# Altium PCB ESP32-HWE-Uno.PcbDoc
Units mil, origin at the board's own origin, x right, y up, seen from the top; angles counter-clockwise.
Board outline 2700 x 2100 mil, 2 copper layers (Top Layer, Bottom Layer); 8 components, 38 nets, 83 pads, 7 vias.
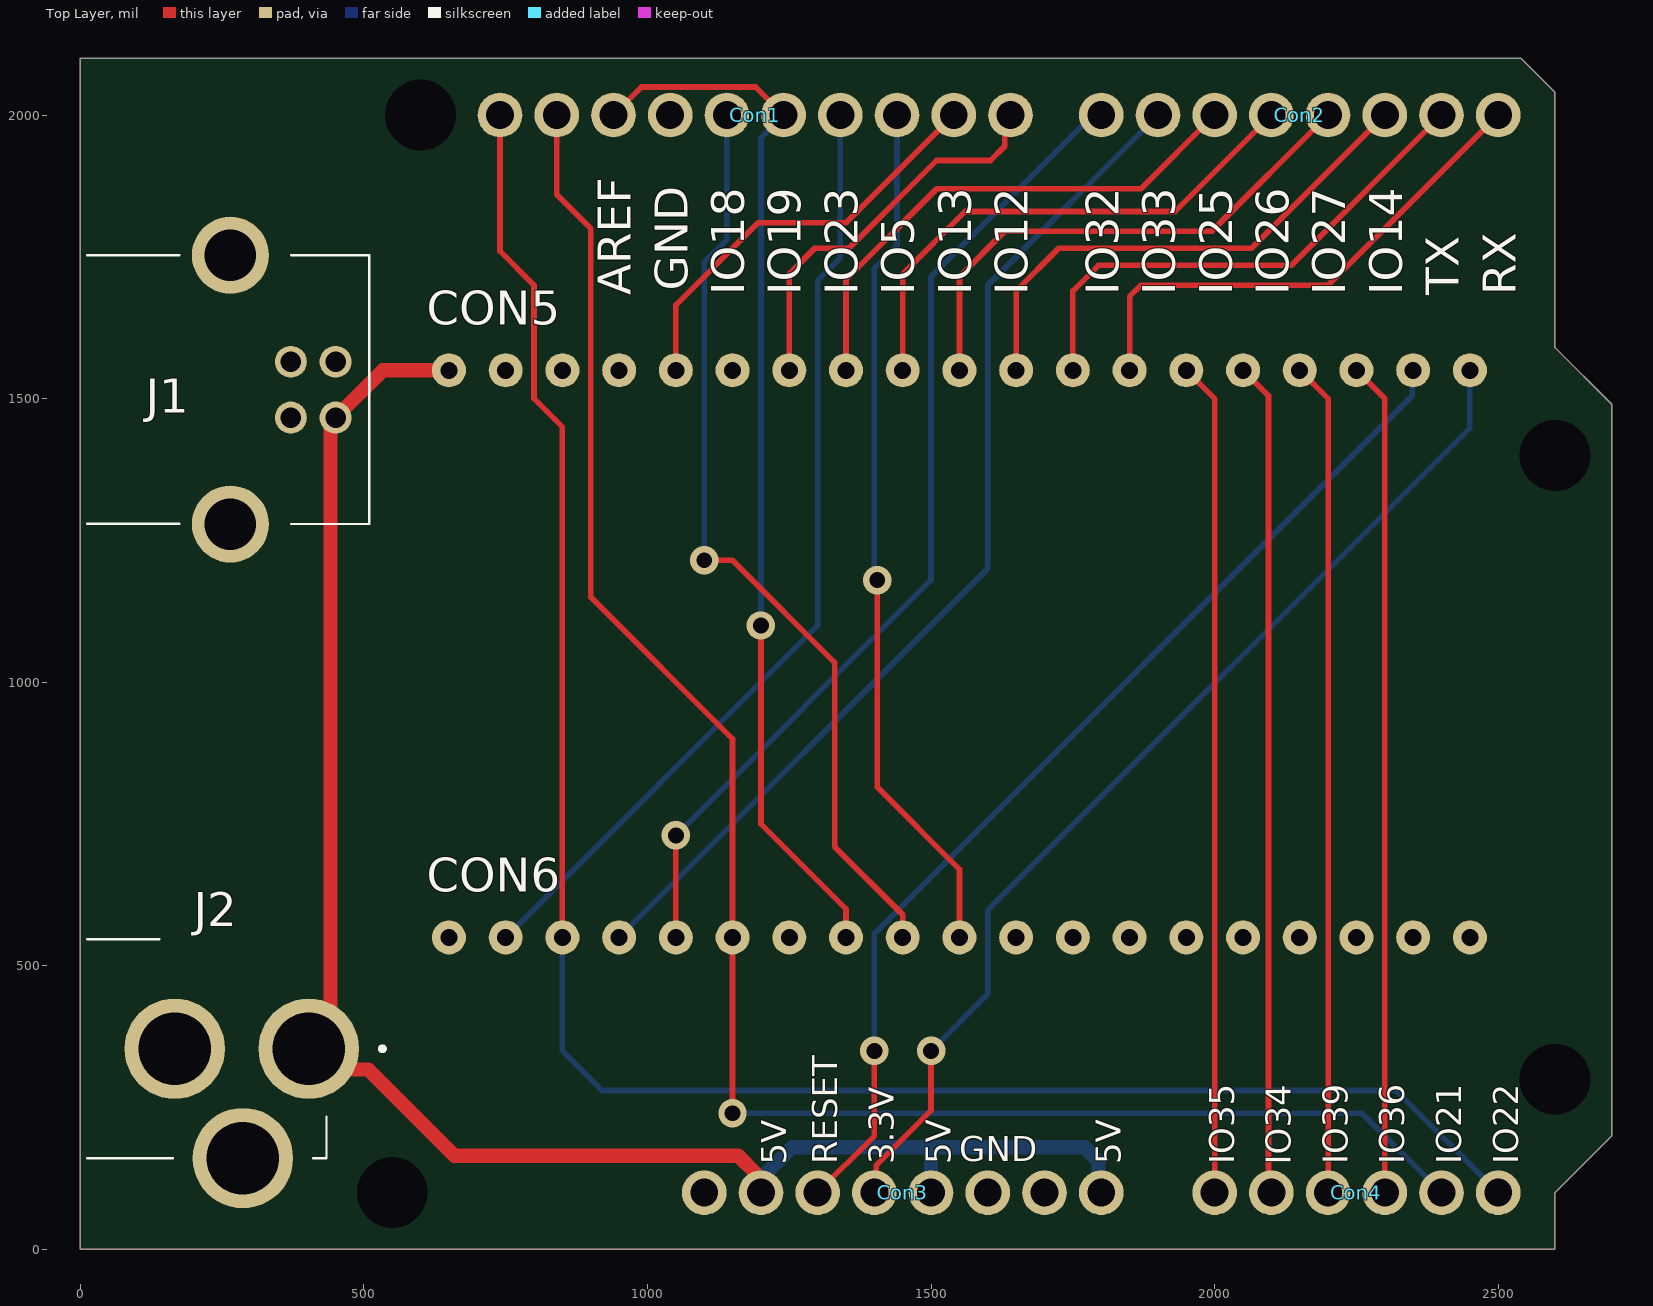
[diagram p0: Top Layer view]
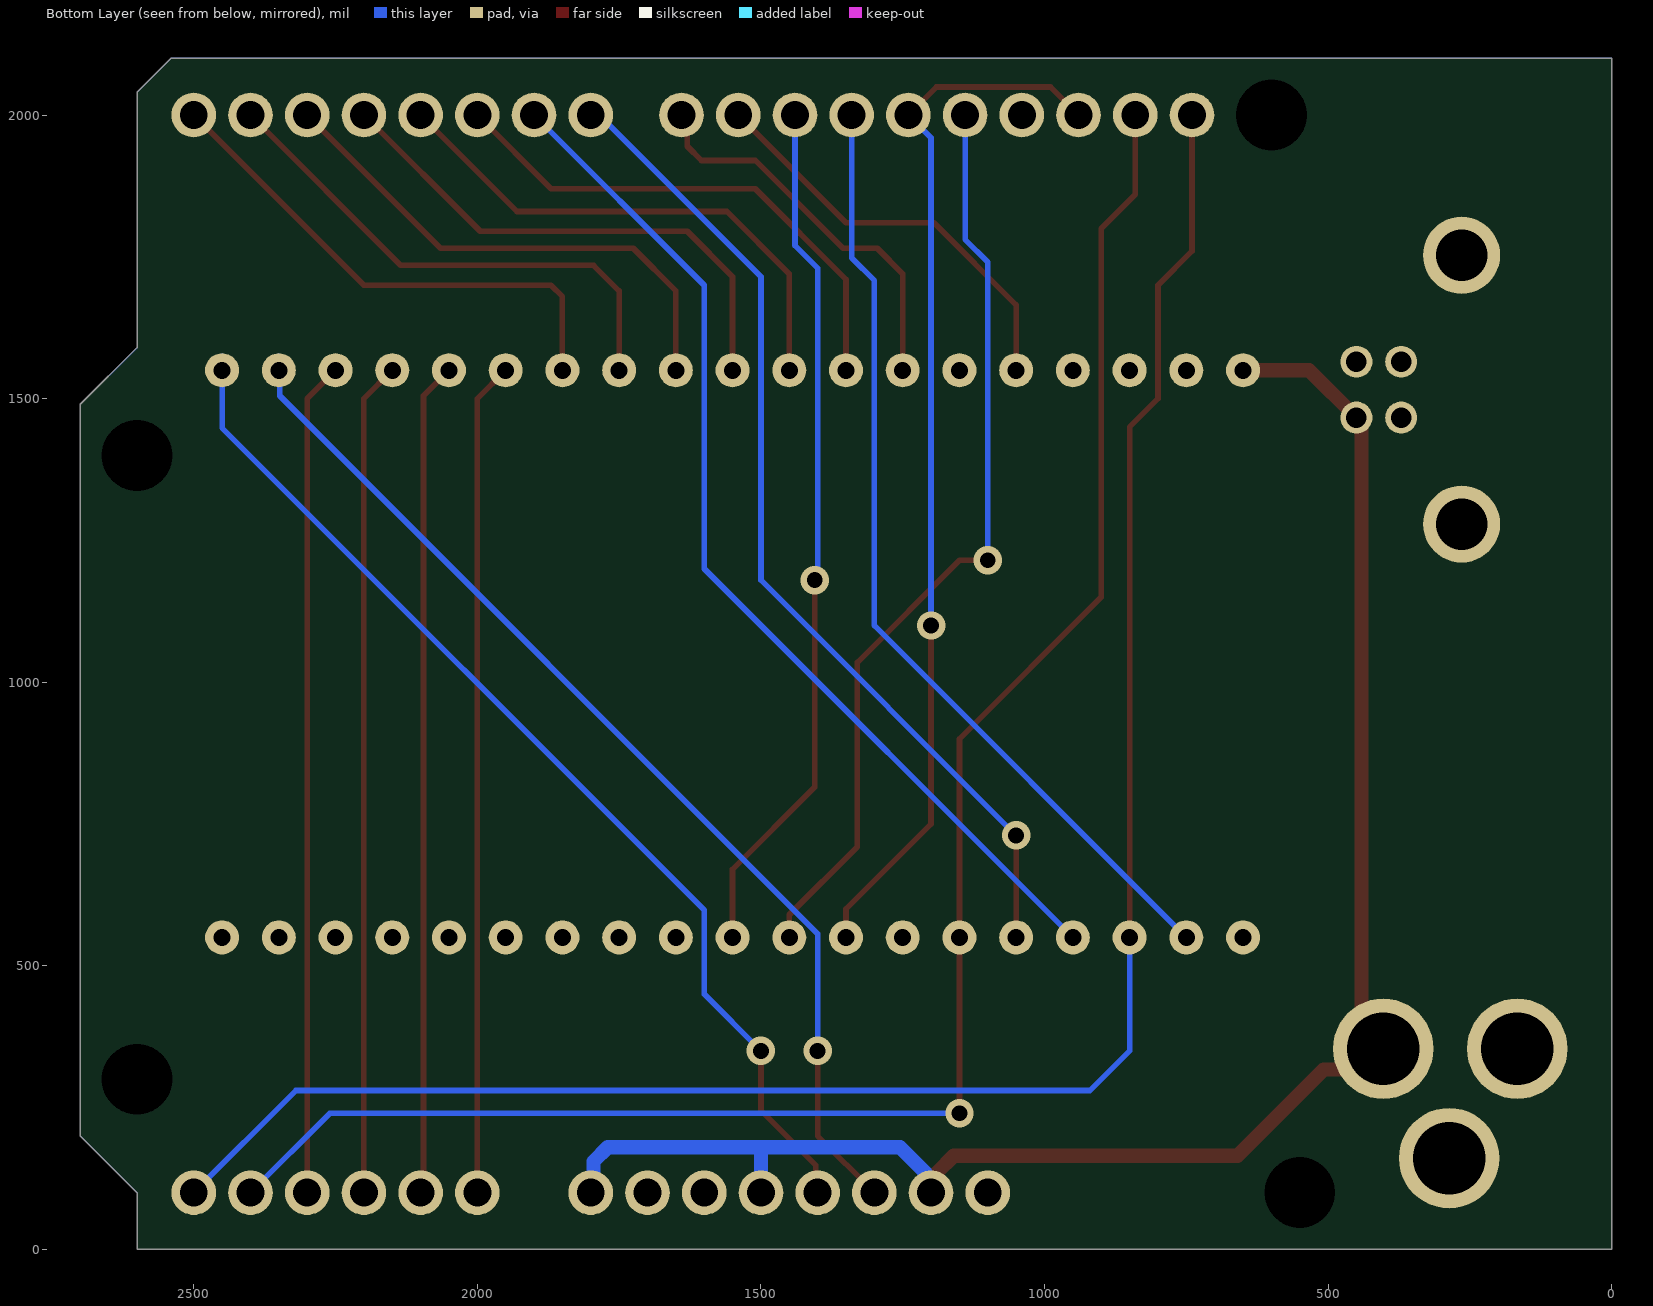
[diagram p1: Bottom Layer view, seen from below]

## Layer stack, top to bottom
Top Solder: solder mask 0.4, Solder Resist, Dk 3.5
Top Layer: signal copper 1.4
Dielectric 1: dielectric 12.6, FR-4, Dk 4.8
Bottom Layer: signal copper 1.4
Bottom Solder: solder mask 0.4, Solder Resist, Dk 3.5

## Board outline
0,0 0,2100 2540,2100 2600,2040 2600,1590 2700,1490 2700,200 2600,100 2600,0

## Design rules (kind name [scope] priority, off if disabled: settings)
Clearance [All] p1: gap=5 ignorepadtopadclearanceinfootprint=FALSE except(0: Arc-Hole Track-Hole SMDPad-Hole THPad-Hole Via-Hole Fill-Hole Poly-Hole Region-Hole Text-Hole)
HoleSize [All] p1: absolutevalues=TRUE maxlimit=196.85 minlimit=1 maxpercent=80.000 minpercent=20.000
PolygonConnect [All] p1: connectstyle=Relief reliefconductorwidth=10 reliefentries=4 polygonreliefangle="90 Angle" airgapwidth=10
RoutingVias [All] p1: holewidth=28 width=50 viastyle="Through Hole" minholewidth=28 minwidth=50 maxholewidth=28 maxwidth=50
SolderMaskExpansion [All] p1: expansion=4 istentingtop=FALSE
Width [All] p1: maxlimit=196.85 minlimit=10 preferedwidth=10
29 further rules are at their usual default settings.

## Components (designator, comment, footprint, x,y, rotation, side; value= is the part's Value field where it differs from the comment)
Con1 "Female 10 Pin" HEADER_FEMALE_10PIN 740,2000 r0 top
Con2 "Header_Female_8Pin" HEADER_FEMALE_8PIN 2500,2000 r180 top
Con3 "Header_Female_8Pin" HEADER_FEMALE_8PIN 1800,100 r180 top
Con4 "Header_Female_6Pin" HEADER_FEMALE_6PIN 2500,100 r180 top
CON5 "Header_Male_19Pin" Male_Header19Pin 2450,1550 r180 top locked
CON6 "Header_Male_19Pin" Male_Header19Pin 650,550 r0 top
J1 "SS-52300-001" SS52300001 450,1565 r270 top
J2 "163-179PH-EX" 163179PHEX 200,300 r0 top locked

## Footprints (in the part's own frame and the unit in brackets; to place one, negate y for a bottom-side part, rotate by r counter-clockwise, add the part's x,y. Pads: shape width x height; smd on the part's side, far side on the other; paste and mask are expansions set on the pad)
163179PHEX [mm]
  round 4.5 hole 3.25: A(5.15,1.365) B(2.2,-3.535) C(-0.85,1.365)
  silkscreen extent -4.77,-3.53 8.55,6.26, body extent -8.5,-3.7 6,5.8, height 10.85
HEADER_FEMALE_6PIN [mm]
  round 2 hole 1.25: 1(0,0) 2(2.54,0) 3(5.08,0) 4(7.62,0) 5(10.16,0) 6(12.7,0)
  body extent -1.52,-1.25 14.22,1.25, height 8.65
HEADER_FEMALE_8PIN [mm]
  round 2 hole 1.25: 1(0,0) 2(2.54,0) 3(5.08,0) 4(7.62,0) 5(10.16,0) 6(12.7,0) 7(15.24,0) 8(17.78,0)
  body extent -1.52,-1.2 19.31,1.21, height 8.51
HEADER_FEMALE_10PIN [mm]
  round 2 hole 1.25: 1(0,0) 2(2.54,0) 3(5.08,0) 4(7.62,0) 5(10.16,0) 6(12.7,0) 7(15.24,0) 8(17.78,0) 9(20.32,0) 10(22.86,0)
  body extent -1.52,-1.25 24.38,1.25, height 8.5
Male_Header19Pin [mil]
  round 60 hole 30: 1(0,0) 2(100,0) 3(200,0) 4(300,0) 5(400,0) 6(500,0) 7(600,0) 8(700,0) 9(800,0) 10(900,0) 11(1000,0) 12(1100,0) 13(1200,0) 14(1300,0) 15(1400,0) 16(1500,0) 17(1600,0) 18(1700,0) 19(1800,0)
  body extent -50,-50 1850,50, height 374
SS52300001 [mm]
  round 1.431 hole 0.92: 1(0,0) 2(0,-2) 3(2.5,0) 4(2.5,-2)
  round 3.45 hole 2.3: MH1(-4.77,-4.71) MH2(7.27,-4.71)
  silkscreen extent -4.77,-11.12 7.27,1.51, body extent -6.22,-14.99 8.72,1.51, height 10.62

## Part data
Con1: library part Header_Female_10Pin
J1: "Connector", Manufacturer_Name=Bel, Mouser Part Number=530-SS-52300-001, Datasheet Link=https://belfuse.com/resources/datasheets/stewartconnector/ds-stw-usb-2.0-type-b-connectors.pdf, Height=10.82mm, Manufacturer_Part_Number=SS-52300-001
J2: "Connector", Manufacturer_Name=Kobiconn, Datasheet Link=https://componentsearchengine.com/Datasheets/1/163-179PH-EX.pdf, Height=11mm, Manufacturer_Part_Number=163-179PH-EX, Mouser Part Number=163-179PH-EX, Mouser Price/Stock=https://www.mouser.co.uk/ProductDetail/Kobiconn/163-179PH-EX?qs=Xb8IjHhkxj5l2UOaIqcGCw%3D%3D

## Free pads (board coordinates)
  round 0 hole 125 unplated mask+0: 14(600,2000) 15(2600,1400) 16(2600,300) 17(550,100)

## Via types
v1: diameter 50, hole 28, Top Layer to Bottom Layer, 7 vias

## Nets (pads, with @x,y where several pads share a name; then routed paths per layer and width w, separated by ;. In a path a pad name is that pad's centre, name@x,y a point inside that pad or via, vN(x,y) a via of type N, cw(c..) or ccw(c..) an arc to the next point about the centre after c; other vN are vias at no path point)
+5: Con3.1 Con3.4 Con3.7 CON5.19 J1.3 J2.A | length 3092.8
  Top Layer w25: CON5.19@666.52,1550 533.43,1550 J1.3 441.13,1457.71 441.13,392.12 J2.A 439.1,317.39 507.61,317.39 660,165 1160,165 1189.72,135.28 1189.72,110.28 Con3.7
  Bottom Layer w25: Con3.7 1210.28,110.28 1210.28,135.28 1255,180 1495,180 ; Con3.4 1500,175 1495,180 ; Con3.1 1795,105 1795,155 1770,180 1495,180
GND: Con1.4 Con3.2 Con3.3 CON5.14 CON6.1 CON6.7 J1.4 J1.MH1 J1.MH2 J2.B J2.C
NetCon1_1: Con1.1 Con4.1 CON6.3 | length 3449.1
  Top Layer w10: Con1.1 740,1760 800,1700 800,1500 850,1450 CON6.3
  Bottom Layer w10: CON6.3 850,350 920,280 2320,280 Con4.1
NetCon1_2: Con1.2 Con4.2 CON6.6 | length 3196.4
  Top Layer w10: Con1.2 840,1860 900,1800 900,1150 1150,900 CON6.6 v1(1150,240)
  Bottom Layer w10: v1(1150,240) 2260,240 Con4.2
NetCon1_3: Con1.3 Con1.6 CON6.8 | length 1869.6
  Top Layer w10: Con1.3 989.37,2049.37 1190.63,2049.37 Con1.6 ; v1(1200,1100) 1200,750 1350,600 CON6.8
  Bottom Layer w10: v1(1200,1100) 1200,1960 Con1.6
NetCon1_5: Con1.5 CON6.9 | length 1640.8
  Top Layer w10: v1(1100,1215) 1150,1215 1330,1035 1330,710 1450,590 CON6.9
  Bottom Layer w10: v1(1100,1215) 1100,1740.7 1140,1780.7 Con1.5
NetCon1_7: Con1.7 CON6.2 | length 1694.4
  Bottom Layer w10: CON6.2 1300,1100 1300,1708.2 1340,1748.2 Con1.7
NetCon1_8: Con1.8 CON6.10 | length 1528.7
  Top Layer w10: v1(1405,1180) 1405,815 1550,670 CON6.10
  Bottom Layer w10: v1(1405,1180) 1400,1185 1400,1730 1440,1770 Con1.8
NetCon1_9: Con1.9 CON5.15 | length 743.8
  Top Layer w10: CON5.15 1050,1665 1195,1810 1350,1810 Con1.9
NetCon1_10: Con1.10 CON5.13 | length 702.3
  Top Layer w10: CON5.13 1250,1720 1295,1765 1355,1765 1509.83,1919.83 1604.83,1919.83 1630,1945 1630,1990 Con1.10
NetCon2_1: Con2.1 CON5.7 | length 912.5
  Top Layer w10: CON5.7 1850,1680 1870,1700 2200,1700 Con2.1
NetCon2_2: Con2.2 CON5.8 | length 918.4
  Top Layer w10: CON5.8 1750,1690 1795,1735 2135,1735 Con2.2
NetCon2_3: Con2.3 CON5.9 | length 918.4
  Top Layer w10: CON5.9 1650,1690 1725,1765 2065,1765 Con2.3
NetCon2_4: Con2.4 CON5.10 | length 933.1
  Top Layer w10: CON5.10 1550,1715 1630,1795 1995,1795 Con2.4
NetCon2_5: Con2.5 CON5.11 | length 936
  Top Layer w10: CON5.11 1450,1720 1560,1830 1930,1830 Con2.5
NetCon2_6: Con2.6 CON5.12 | length 930.1
  Top Layer w10: CON5.12 1350,1710 1510,1870 1870,1870 Con2.6
NetCon2_7: Con2.7 CON6.4 | length 1843.5
  Bottom Layer w10: CON6.4 1600,1200 1600,1700 Con2.7
NetCon2_8: Con2.8 CON6.5 | length 1769.4
  Top Layer w10: CON6.5 v1(1050,730)
  Bottom Layer w10: v1(1050,730) 1500,1180 1500,1715 1785,2000 Con2.8
NetCon3_5: Con3.5 CON5.1 | length 1913.4
  Top Layer w10: Con3.5 1403.51,103.51 1403.51,148.51 1500,245 v1(1500,350)
  Bottom Layer w10: v1(1500,350) 1600,450 1600,598.34 2450,1448.34 CON5.1 ; CON5.1@2450,1553.65 CON5.1 ; CON5.1@2450,1574.8 CON5.1
NetCon3_6: Con3.6 CON5.2 | length 1909.7
  Top Layer w10: Con3.6 1400,200 v1(1400,350)
  Bottom Layer w10: v1(1400,350) 1400,556.57 2348.43,1505 2348.43,1548.43 CON5.2 CON5.2@2350,1574.8
NetCon4_3: Con4.3 CON5.3 | length 1470.7
  Top Layer w10: CON5.3 2300,1500 Con4.3
NetCon4_4: Con4.4 CON5.4 | length 1470.7
  Top Layer w10: CON5.4 2200,1500 Con4.4
NetCon4_5: Con4.5 CON5.5 | length 1470.7
  Top Layer w10: CON5.5 2095,1505 2095,105 Con4.5
NetCon4_6: Con4.6 CON5.6 | length 1470.7
  Top Layer w10: CON5.6 2000,1500 Con4.6
NetCON5_16: CON5.16
NetCON5_17: CON5.17
NetCON5_18: CON5.18
NetCON6_11: CON6.11
NetCON6_12: CON6.12
NetCON6_13: CON6.13
NetCON6_14: CON6.14
NetCON6_15: CON6.15
NetCON6_16: CON6.16
NetCON6_17: CON6.17
NetCON6_18: CON6.18
NetCON6_19: CON6.19
NetJ1_1: J1.1
NetJ1_2: J1.2
pads on no net: Con3.8

## Polygon pours and split planes (outlines as drawn)
GND on Bottom Layer "NONET_L02_P001" (solid, remove dead copper, shelved, pour order 1): 0,0 0,2100 2540,2100 2600,2040 2600,1590 2700,1490 2700,200 2600,100 2600,0
GND on Top Layer "NONET_L01_P000" (solid, remove dead copper, shelved, pour order 0): 0,0 0,2100 2540,2100 2600,2040 2600,1590 2700,1490 2700,200 2600,100 2600,0

## Silkscreen, mask and mechanical layers (free items; w line width, h text height)
Top Overlay:
  text "GND" at 1090,1690 h100 r90
  text "AREF" at 990,1682.63 h100 r90
  text "IO18" at 1190,1682.63 h100 r90
  text "IO19" at 1290,1682.63 h100 r90
  text "IO23" at 1390,1682.63 h100 r90
  text "IO5" at 1490,1682.63 h100 r90
  text "IO13" at 1590,1682.63 h100 r90
  text "IO12" at 1690,1682.63 h100 r90
  text "IO32" at 1850,1682.63 h100 r90
  text "IO33" at 1950,1682.63 h100 r90
  text "IO25" at 2050,1682.63 h100 r90
  text "IO26" at 2150,1682.63 h100 r90
  text "IO27" at 2250,1682.63 h100 r90
  text "IO14" at 2350,1682.63 h100 r90
  text "TX" at 2450,1682.63 h100 r90
  text "RX" at 2550,1682.63 h100 r90
  text "RESET" at 1349.5,150 h75 r90
  text "3.3V" at 1449.5,150 h75 r90
  text "5V" at 1549.5,150 h75 r90
  text "5V" at 1849.5,150 h75 r90
  text "IO35" at 2049.5,150 h75 r90
  text "IO39" at 2249.5,150 h75 r90
  text "IO36" at 2349.5,150 h75 r90
  text "IO21" at 2449.5,150 h75 r90
  text "IO22" at 2550,150 h75 r90
  text "5V" at 1259.45,149.25 h75 r90
  text "IO34" at 2149.5,149.25 h75 r90
  text "GND" at 1550,140 h75
Mechanical 1:
  the board outline again, w10
Drill Drawing:
  circle w10: c3050.62,985.83 r33.33
  lines w10: 3017.29,1119.17 3033.96,1119.17 3050.62,1102.5 3067.29,1119.17 3083.96,1119.17 3067.29,1135.83 3083.96,1152.5 3067.29,1152.5 3050.62,1169.17 3033.96,1152.5 3017.29,1152.5 3033.96,1135.83 3017.29,1119.17 ; 3017.29,1285.83 3050.62,1252.5 3083.96,1285.83 3050.62,1319.17 3017.29,1285.83 ; 3017.29,1402.5 3083.96,1402.5 3083.96,1469.17 3017.29,1469.17 3017.29,1402.5 ; 3017.29,1552.5 3083.96,1552.5 3083.96,1619.17 3017.29,1619.17 3017.29,1552.5 ; 3017.29,1702.5 3017.29,1719.17 3033.96,1735.83 3017.29,1752.5 3017.29,1769.17 3033.96,1769.17 3050.62,1752.5 3067.29,1769.17 3083.96,1769.17 3083.96,1752.5 3067.29,1735.83 3083.96,1719.17 3083.96,1702.5 3067.29,1702.5 3050.62,1719.17 3033.96,1702.5 3017.29,1702.5 ; 3017.29,1919.17 3083.96,1919.17 3050.62,1852.5 3017.29,1919.17 ; 3030.62,1415.83 3070.62,1415.83 3070.62,1455.83 3030.62,1455.83 3030.62,1415.83
  lines w15: 2957.5,907.5 13498.58,907.5 ; 2957.5,1957.5 13498.58,1957.5 ; 3508.38,757.5 3508.38,2107.5 ; 4048.24,757.5 4048.24,2107.5 ; 5197.9,757.5 5197.9,2107.5 ; 5703.78,757.5 5703.78,2107.5 ; 6437.58,757.5 6437.58,2107.5 ; 7937.13,757.5 7937.13,2107.5 ; 8526.98,757.5 8526.98,2107.5 ; 9272.78,757.5 9272.78,2107.5 ; 9932.6,757.5 9932.6,2107.5 ; 10786.36,757.5 10786.36,2107.5 ; 12119.97,757.5 12119.97,2107.5 ; 2957.5,757.5 13498.58,757.5 13498.58,2107.5 2957.5,2107.5 2957.5,757.5
  text "Symbol" at 3047.5,2002.5 h72
  text "Count" at 3553.38,2002.5 h72
  text "Hole Size" at 4093.24,2002.5 h72
  text "Plated" at 5242.9,2002.5 h72
  text "Hole Type" at 5748.78,2002.5 h72
  text "Drill Layer Pair" at 6482.58,2002.5 h72
  text "Via/Pad" at 7982.13,2002.5 h72
  text "Pad Shape" at 8571.98,2002.5 h72
  text "Template" at 9317.78,2002.5 h72
  text "Description" at 9977.6,2002.5 h72
  text "Hole Tolerance (+)" at 10831.36,2002.5 h72
  text "Hole Tolerance (-)" at 12164.97,2002.5 h72
  text "2" at 3553.38,1852.5 h60
  text "90.55mil (2.300mm)" at 4093.24,1852.5 h60
  text "PTH" at 5242.9,1852.5 h60
  text "Round" at 5748.78,1852.5 h60
  text "Top Layer - Bottom Layer" at 6482.58,1852.5 h60
  text "Pad" at 7982.13,1852.5 h60
  text "Rounded" at 8571.98,1852.5 h60
  text "c345h230" at 9317.78,1852.5 h60
  text "3" at 3553.38,1702.5 h60
  text "127.95mil (3.250mm)" at 4093.24,1702.5 h60
  text "PTH" at 5242.9,1702.5 h60
  text "Round" at 5748.78,1702.5 h60
  text "Top Layer - Bottom Layer" at 6482.58,1702.5 h60
  text "Pad" at 7982.13,1702.5 h60
  text "Rounded" at 8571.98,1702.5 h60
  text "c450h325" at 9317.78,1702.5 h60
  text "4" at 3553.38,1552.5 h60
  text "36.22mil (0.920mm)" at 4093.24,1552.5 h60
  text "PTH" at 5242.9,1552.5 h60
  text "Round" at 5748.78,1552.5 h60
  text "Top Layer - Bottom Layer" at 6482.58,1552.5 h60
  text "Pad" at 7982.13,1552.5 h60
  text "Rounded" at 8571.98,1552.5 h60
  text "c143h92" at 9317.78,1552.5 h60
  text "4" at 3553.38,1402.5 h60
  text "125.00mil (3.175mm)" at 4093.24,1402.5 h60
  text "NPTH" at 5242.9,1402.5 h60
  text "Round" at 5748.78,1402.5 h60
  text "Top Layer - Bottom Layer" at 6482.58,1402.5 h60
  text "Pad" at 7982.13,1402.5 h60
  text "Rounded" at 8571.98,1402.5 h60
  text "c0hn318m-1" at 9317.78,1402.5 h60
  text "7" at 3553.38,1252.5 h60
  text "28.00mil (0.711mm)" at 4093.24,1252.5 h60
  text "PTH" at 5242.9,1252.5 h60
  text "Round" at 5748.78,1252.5 h60
  text "Top Layer - Bottom Layer" at 6482.58,1252.5 h60
  text "Via" at 7982.13,1252.5 h60
  text "Rounded" at 8571.98,1252.5 h60
  text "v127h71" at 9317.78,1252.5 h60
  text "32" at 3553.38,1102.5 h60
  text "49.21mil (1.250mm)" at 4093.24,1102.5 h60
  text "PTH" at 5242.9,1102.5 h60
  text "Round" at 5748.78,1102.5 h60
  text "Top Layer - Bottom Layer" at 6482.58,1102.5 h60
  text "Pad" at 7982.13,1102.5 h60
  text "Rounded" at 8571.98,1102.5 h60
  text "c200h125" at 9317.78,1102.5 h60
  text "38" at 3553.38,952.5 h60
  text "30.00mil (0.762mm)" at 4093.24,952.5 h60
  text "PTH" at 5242.9,952.5 h60
  text "Round" at 5748.78,952.5 h60
  text "Top Layer - Bottom Layer" at 6482.58,952.5 h60
  text "Pad" at 7982.13,952.5 h60
  text "Rounded" at 8571.98,952.5 h60
  text "c152h76" at 9317.78,952.5 h60
  text "90 Total" at 3553.38,802.5 h60